# Altium PCB Elevator.PcbDoc (part 2 of 2)
Units mil, origin at the board's own origin, x right, y up, seen from the top; angles counter-clockwise.
Board outline 4620 x 3858.74 mil, 4 copper layers (Top Layer, Internal Plane 1, Internal Plane 2, Bottom Layer), stack 18.2 mil thick; 194 components, 131 nets, 591 pads, 75 vias.
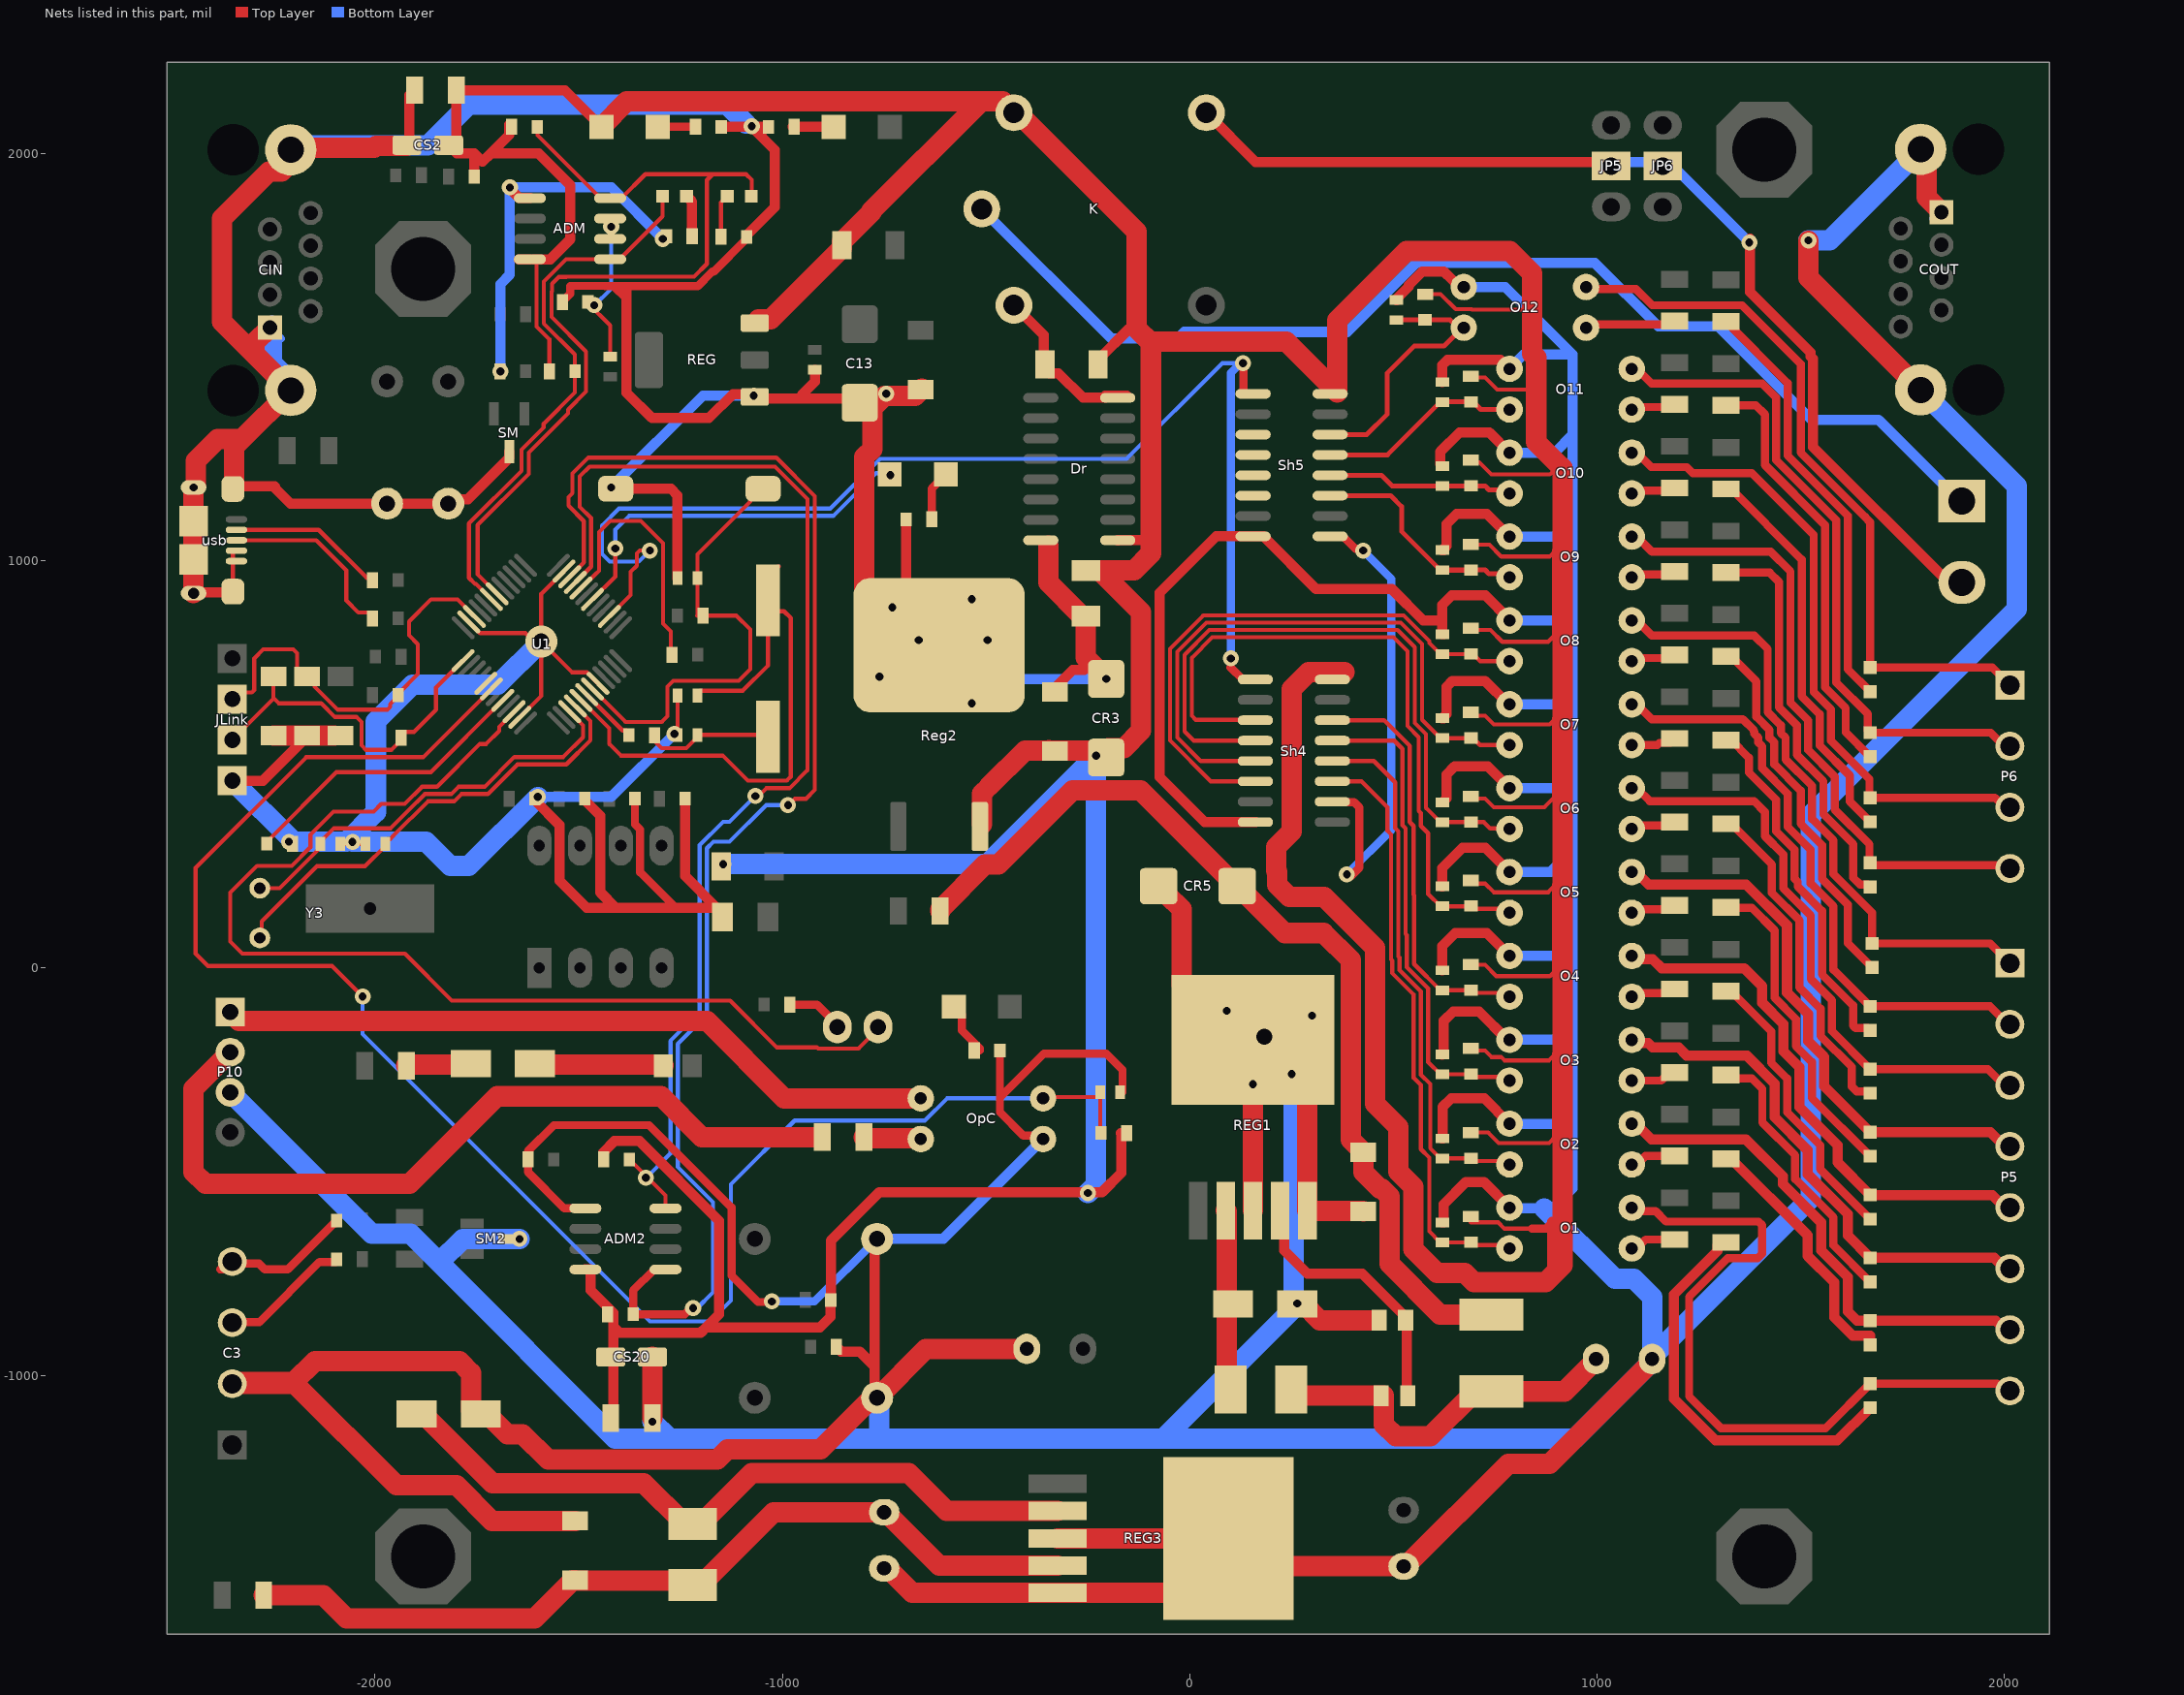
[diagram p4: the nets of this part, all layers, seen from the top]

## Via types
v1: diameter 39.37, hole 19.68, Top Layer to Bottom Layer, 72 vias
v2: diameter 78.74, hole 39.37, Top Layer to Bottom Layer, 3 vias

## Nets (pads, with @x,y where several pads share a name; then routed paths per layer and width w, separated by ;. In a path a pad name is that pad's centre, name@x,y a point inside that pad or via, vN(x,y) a via of type N, cw(c..) or ccw(c..) an arc to the next point about the centre after c; other vN are vias at no path point) (continued)
GND: ADM2.5 ADM.5 C2.1 C3.2 C6.2 C7.2 C10.2 C13.2 C15.2 C16.1 CH1.1 CIN.1 CIN.9 CM20.2 CM21.2 CM50.2 CM51.2 COUT.1 COUT.9 CR1.2 CR2.2 CR3.2 CR5.2 CS2.2 CS3.2 CS20.2 CS30.2 CV1.1 CV2.1 CV3.1 CV4.1 CV5.1 CV6.1 CV7.1 CV8.1 CV9.1 CV10.1 CV11.1 CV12.1 DM3.1 DM20.1 Dr.8 DZ1.1 DZ2.1 DZ5.1 DZ10.1 DZ11.1 DZ12.1 DZ15.1 JLink.1 O1.3 O2.3 O3.3 O4.3 O5.3 O6.3 O7.3 O8.3 O9.3 O10.3 O11.3 O12.3 OpC.3 P10.3 R2.2 R4.1 R44.1 R45.1 R46.1 R47.1 R80.1 R82.1 R83.1 RC1.1 RC2.1 RC5.2 RC32.2 REG1.3 REG1.5 REG1.6 Reg2.4 REG3.3 REG3.5 REG3.6 REG.1 RES.1 RN2.2 RT1.2 RT10.2 RV1.1 RV2.1 RV3.1 RV4.1 Sh4.8 Sh5.8 SM2.3 SM.3 U1.8 U1.23 U1.35 U1.47 usb.4 usb.5 usb.S | length 44999.1
  Top Layer w10: usb.S@-2341.06,925.16 -2348.54,932.64 -2348.54,1021.83 -2345.89,1024.49 usb.4@-2339.69,1024.49 ; C15.2@-2084.69,304.77 C16.1@-2023.34,304.77 ; U1.35@-1769.56,849.29 -1769.07,849.29 -1741.94,822.15 -1630.76,822.15 -1610.3,801.7 v2(-1591.7,801.7) ; U1.47@-1644.29,615.44 -1591.7,668.02 v2(-1591.7,801.7) ; U1.23@-1535.71,974.56 -1591.7,918.57 v2(-1591.7,801.7) ; U1.8@-1452.2,698.96 -1452.69,698.96 -1479.82,726.09 -1516.09,726.09 v2(-1591.7,801.7) ; C7.2@-1257.3,572.3 C6.2@-1257.3,668.83
  Top Layer w20: RC5.2@-1535.74,1639.93 -1520.47,1655.2 -1520.47,1673.88 -1519.81,1674.54 -1435.66,1674.54 -1435,1673.88 -1413.88,1673.88 ; ADM2.5@-1483.43,-590 -1535,-590 -1624,-501 -1624,-449 -1560.75,-385.75 -1326.77,-385.75 -1124.66,-587.86 -1124.66,-754.97 -1059.63,-820 v1@-1025.5,-820 ; -1382.27,1642.27 -1413.88,1673.88 ; R46.1@-1361.79,415.53 -1361.79,352.75 -1348.89,339.84 -1348.89,235 -1264.32,150.43 ; CR1.2@-1160.78,148.08 CR1.2@-1160.64,147.93 ; CR1.2@-1147.55,125 CR1.2@-1147.55,134.84 ; RC1.1@-1087.68,1795 -1087.68,1790.08 -1168.42,1709.34 -1172.13,1709.34 -1207.59,1673.88 -1413.88,1673.88 ; R80.1@-466.01,-202.6 -466.01,-353.99 -408.61,-411.39 -368.66,-411.39 OpC.3@-366.55,-413.5 ; -460,-312.39 -357.61,-210 -205,-210 -165,-250 -165,-305 CH1.1@-170.5,-305
  Top Layer w25: usb.S@-2445,920.16 -2443.03,922.13 -2350.51,922.13 usb.S@-2348.54,924.09 ; JLink.1@-2350,460 -2274.54,460 DZ12.1@-2173.44,561.1 ; usb.S@-2341.06,925.16 usb.S@-2339.09,927.13 ; usb.S@-2341.06,1185 -2339.09,1183.03 -2246.57,1183.03 -2244.61,1181.06 -2244.61,1177.82 -2206.79,1140 RV2.1@-1970,1140 RV1.1@-1820,1140 -1809.72,1150.28 -1772.05,1150.28 -1670,1252.33 SM.3@-1670,1267.68 ; CS2.2@-1921.18,2020 -1915,2026.18 -1915,2142.2 CS3.2@-1902.2,2155 ; v1@-1668.67,1923.27 v1(-1668.67,1916.36) -1668.67,1913.03 -1645.64,1890 ADM.5@-1619.46,1890 ; R44.1@-1607.75,415.53 -1607.75,411.98 -1546.39,350.62 -1546.39,309.89 -1546.19,309.69 -1546.19,214.33 -1479.8,147.93 -1408.87,147.93 ; R45.1@-1484.77,415.53 -1484.77,411.98 -1446.39,373.6 -1446.39,325 -1446.19,324.8 -1446.19,185.25 -1408.87,147.93 ; RES.1@-1408.87,1176.48 -1273.43,1176.48 -1257.3,1160.36 C10.2@-1257.3,957 ; -1385,1672.04 -1382.27,1669.31 -1382.27,1642.27 -1382.27,1412.27 -1320,1350 -1180,1350 -1120.82,1409.18 REG.1@-1067.61,1409.18 ; R47.1@-1238.81,415.53 -1238.81,226.11 CR1.2@-1160.78,148.08 ; R82.1@-1150,2065 v1@-1075,2065 ; CR1.2@-1147.55,134.84 -1160.64,147.93 -1408.87,147.93 ; RC1.1@-1087.68,1795 -1087.68,1798.54 -1018.11,1868.11 -1018.11,2008.11 v1@-1075,2065 ; REG.1@-1067.61,1402.07 -1063.34,1397.81 -820.26,1397.81 C13.2@-810,1387.55 ; R83.1@-1033.99,2065 v1@-1075,2065 ; -950.82,1409.18 -920,1440 C2.1@-920,1468.62 ; RT10.2@-867.01,-930 -855.6,-941.41 -810,-941.41 -773.28,-978.13 ; C13.2@-799.74,1397.81 -788.58,1408.97 -671.91,1408.97 DZ2.1@-660.78,1420.09 ; C13.2@-788.58,1397.81 v1@-757.19,1397.81 ; RV4.1@-767.42,-1055 -773.28,-1049.14 -773.28,-978.13 ; RV3.1@-767.42,-665 -773.28,-670.86 -773.28,-978.13 ; R4.1@-696.29,1101.48 -696.29,819.33 Reg2.4@-665,788.04 ; OpC.3@-366.55,-413.5 OpC.3@-360.05,-420 ; DZ1.1@-345.49,680.79 -337.62,680.79 -286.95,731.46 -260,731.46 ; Sh4.8@161.02,358.26 37.12,358.26 -74,469.37 -74,921 64.74,1059.74 Sh5.8@155.51,1059.74 180.26,1059.74 310,930 496.44,930 573.18,853.26 620,853.26 ; CV12.1@507.64,1639.76 507.64,1642.64 537.58,1672.58 537.58,1676.48 571.1,1710 623.68,1710 644.34,1689.34 661.81,1671.87 O12.3@672.64,1671.87 ; CV1.1@620,-624.79 622.44,-624.79 623.13,-624.1 623.13,-580 678.13,-525 721.74,-525 O1.3@785,-588.26 ; CV2.1@620,-418.46 620.25,-418.2 620.25,-341.5 641.75,-320 722.67,-320 O2.3@785,-382.33 ; CV3.1@620,-212.12 619.63,-211.75 623.13,-211.75 623.45,-211.43 623.45,-130 646.65,-106.79 710,-106.79 779.6,-176.4 O3.3@785,-176.4 ; CV4.1@620,-5.79 620,53.98 651.9,85.88 728.66,85.88 O4.3@785,29.53 ; CV5.1@620,200.54 620,244.98 670.02,295 725.47,295 O5.3@785,235.47 ; CV6.1@620,406.88 623.54,406.88 624.23,407.57 624.23,411.11 630,416.88 630,475 650,495 731.4,495 O6.3@785,441.4 ; CV7.1@620,613.21 623.54,613.21 624.23,613.9 624.23,617.44 630,623.21 630,690 645,705 724.73,705 782.4,647.33 O7.3@785,647.33 ; CV9.1@620,1025.88 623.54,1025.88 624.23,1026.57 624.23,1030.11 630,1035.88 630,1090 655,1115 729.19,1115 O9.3@785,1059.19 ; CV10.1@620,1232.21 616.46,1232.21 615.77,1232.9 615.77,1236.44 615,1237.21 615,1267.68 661.94,1314.62 735.5,1314.62 O10.3@785,1265.12 ; CV11.1@620,1438.54 620,1480 632.62,1492.62 762.33,1492.62 783.89,1471.06 O11.3@785,1471.06 ; CV8.1@623.54,819.54 CV8.1@620,819.54 620,853.26 ; O8.3@785,853.26 785,855 725,915 643.88,915 620,891.12 620,853.26
  Top Layer w50: usb.S@-2445,920.16 usb.S@-2445,1002.83 usb.S@-2445,1097.32 usb.S@-2445,1180 -2440,1185 -2440,1245 -2386.44,1298.56 -2326.16,1298.56 ; usb.S@-2345,1190 -2345,1279.72 -2326.16,1298.56 ; -2295,1515 -2295,1535.23 CIN.1@-2257.75,1572.48 ; DZ11.1@-2249.11,570.44 DZ12.1@-2166.65,570.44 DZ10.1@-2099.51,570.44 ; CIN.9@-2215,1425 -2215,1426.58 -2375,1586.58 -2375,1840.27 -2259.47,1955.8 -2229.2,1955.8 CIN.9@-2190,1995 ; CIN.9@-2206.57,1418.15 -2326.16,1298.56 ; CIN.9@-2192.03,2043.8 -2192.03,1997.03 CIN.9@-2190,1995 ; CS2.2@-1921.18,2020 -1922.56,2018.62 -1996.95,2018.62 -2001.44,2014.13 -2170.87,2014.13 CIN.9@-2190,1995 ; DZ15.1@-1508.37,-1357.16 -1712.84,-1357.16 -1800,-1270 -1947.51,-1270 -2196.84,-1020.67 C3.2@-2350,-1020.67 -2346.01,-1016.68 -2199.08,-1016.68 -2147.4,-965 -1792.75,-965 -1763.46,-994.29 -1763.46,-1086.54 -1755,-1095 DM20.1@-1739.84,-1095 -1724.09,-1095 -1674.41,-1144.69 -1637.4,-1144.69 -1574.96,-1207.13 -1158.91,-1207.13 -1133.91,-1182.13 -906.27,-1182.13 -784.64,-1060.5 -780.69,-1060.5 -773.28,-1053.09 RV4.1@-773.28,-1049.14 ; CS30.2@-1318.9,-1104.92 -1318.9,-955.08 CS20.2@-1318.82,-955 ; RV4.1@-767.42,-1055 -647.42,-935 CM20.2@-400,-935 ; CM51.2@-750,-1473.9 -740.94,-1473.9 -680.98,-1533.86 REG3.5@-324.29,-1533.86 -38.86,-1533.86 REG3.6@95,-1400 ; Reg2.4@-740,885 -771.91,916.91 -798.85,916.91 -798.85,1254.63 -779.29,1274.19 -779.29,1374.25 -748.54,1405 -673.97,1405 DZ2.1@-657.12,1421.85 ; -347.46,1036.81 -347.46,946.51 -264.84,863.9 CR2.2@-255,863.9 -255,761.64 -205,711.64 v1(-205,709.67) ; REG3.3@-324.29,-1400 REG3.6@95,-1400 ; CR5.2@-76.46,201.05 -74.49,201.05 -55.2,181.76 -55.2,179.79 -19.8,144.4 -19.8,-41.95 114.65,-176.4 REG1.6@155,-176.4 ; REG1.3@155,-595.69 v1(155,-285) ; REG1.6@165.45,-186.85 288.86,-310.26 REG1.5@288.86,-595.69 289.93,-596.76 425.09,-596.76 DZ5.1@426.16,-597.84 ; DM3.1@279.49,-825 319.49,-865 RN2.2@455,-865 ; CM21.2@1134.88,-960 1134.88,-965 882.93,-1216.95 781.95,-1216.95 530,-1468.9 CM50.2@525,-1468.9 163.9,-1468.9 REG3.6@95,-1400 ; v1@1518.44,1785 1518.44,1694.79 COUT.9@1793.82,1419.41 ; COUT.9@1793.82,2009.96 1808.36,1995.42 1808.36,1892.27 COUT.1@1845,1855.63
  Bottom Layer w20: CIN.1@-2257.75,1572.48 -2253.22,1567.95 CIN.1@-2230.27,1545 ; v1(-1025.5,-818.64) -921.06,-818.64 RV3.1@-767.42,-665
  Bottom Layer w25: v1(-1691.95,1464.82) -1691.95,1678.95 -1668.67,1702.23 v1(-1668.67,1916.36) -1419.69,1916.36 v1(-1293.33,1790) ; v1(-1600,420) -1420,420 v1(-1265,575) ; v1(-1420,1180) -1195,1405 v1(-1070,1405) ; RV3.1@-767.42,-665 -605.05,-665 OpC.3@-360.05,-420 ; v1(-665,805) -569.67,709.67 -239.67,709.67 ; -250,720 -239.67,709.67 ; v1(-205,709.67) -239.67,709.67 ; O12.3@672.64,1671.87 774.39,1671.87 940,1506.26 ; O1.3@785,-588.26 786.74,-590 870,-590 891,-590 940,-541 940,-350 ; O2.3@785,-382.33 907.67,-382.33 940,-350 ; O3.3@785,-176.4 898.9,-176.4 940,-135.29 ; O4.3@785,29.53 894.53,29.53 940,75 ; O5.3@785,235.47 885.47,235.47 940,290 ; O6.3@785,441.4 898.9,441.4 940,482.5 ; O7.3@785,647.33 904.8,647.33 940,682.53 ; O8.3@785,853.26 904.8,853.26 940,888.46 ; O9.3@785,1059.19 904.8,1059.19 940,1094.4 ; O10.3@785,1265.12 895.12,1265.12 940,1310 ; O11.3@785,1471.06 785,1471.61 819.64,1506.26 940,1506.26 ; COUT.1@1828.6,1839.23 COUT.1@1845,1855.63 ; 940,-350 940,-135.29 ; 940,-135.29 940,75 ; 940,75 940,290 ; 940,290 940,482.5 ; 940,482.5 940,682.53 ; 940,682.53 940,888.46 ; 940,888.46 940,1094.4 ; 940,1094.4 940,1310 ; 940,1310 940,1506.26
  Bottom Layer w50: P10.3@-2355,-305 -2008,-652 -1913,-652 -1842.18,-722.82 ; JLink.1@-2350,460 -2199.69,309.69 -2070,309.69 -1997.55,382.13 -1997.55,604.85 -1907.41,695 -1698.4,695 v2(-1591.7,801.7) ; CIN.1@-2257.75,1572.48 CIN.1@-2253.22,1577.01 ; CIN.1@-2253.22,1567.95 -2253.22,1485.36 -2220,1452.14 CIN.9@-2220,1420 ; CIN.9@-2206.57,2008.7 -2195.27,2020 -1869.63,2020 -1769.65,2119.98 -1136.02,2119.98 v1@-1088.92,2072.87 ; v1(-2055,309.77) -2055.08,309.69 -1873.99,309.69 -1815,250.7 -1769.3,250.7 v1(-1600,420) ; v1(-1645,-665.13) -1784.49,-665.13 -1842.18,-722.82 ; v1(-1318.82,-1113.64) -1280,-1152.46 -1280,-1155 ; RV4.1@-767.42,-1055 -761.92,-1060.5 -761.92,-1148.08 -755,-1155 ; v1(155,-285) 177.8,-262.2 177.8,-174.5 v2(183.3,-169) 191.07,-169 243.32,-116.75 v1(300,-116.75) ; v1@255,-251.4 255,-835.12 -64.88,-1155 ; 870,-590 1043.2,-763.2 1089.89,-763.2 1134.88,-808.19 CM21.2@1134.88,-955 ; v1(1518.44,1786.36) 1570.21,1786.36 COUT.9@1793.82,2009.96 ; COUT.9@1793.82,1419.41 2030,1183.23 2030,881.5 1524.18,375.68 1524.18,-565.7 CM21.2@1134.88,-955 ; -1842.18,-722.82 -1410,-1155 -1280,-1155 ; -1280,-1155 -755,-1155 ; -755,-1155 -64.88,-1155 ; -64.88,-1155 944.88,-1155 1134.88,-965 CM21.2@1134.88,-960 CM21.2@1134.88,-955
  other v1: 263.74,-823.64 250,-260 91,-105 -2211.01,310 -535,650 -761.85,715 -496.52,805 -730,885 -535,905.31 -745,1410 -1075,2066.36
"Latch Pin 2": U1.41
LoadPin: Sh4.1 Sh5.1 U1.15 | length 3058.8
  Top Layer w10: U1.15@-1424.36,863.21 -1372.13,915.44 -1372.13,972.6 -1357.13,987.6 -1357.13,1017.87 -1350,1025 v1@-1330,1025
  Top Layer w20: 100,737.86 129.6,708.26 Sh4.1@161.02,708.26 ; v1@135,1485 132.34,1482.34 132.34,1411.41 134.01,1409.74 Sh5.1@155.51,1409.74
  Bottom Layer w10: v1(-1325,1025) -1352.56,997.44 -1423.49,997.44 -1442.56,1016.51 -1442.56,1086.12 -1400.8,1127.87 -882.13,1127.87 -760,1250 -155,1250 80,1485 v1@125,1485
  Bottom Layer w20: v1(100.67,760) 100.67,1460.67 v1@125,1485
  other v1: 130.67,1485
Net3.3V_2: 3.3V.2 R83.2 | length 100.1
  Top Layer w25: R83.2@-974.03,2065 R83.2@-971,2065 3.3V.2@-873.9,2065
Net5V_2: 5V.2 R82.2 | length 93.1
  Top Layer w20: 5V.2@-1306.1,2065 R82.2@-1212.99,2065
Net24V_2: 24V.2 R80.2 | length 146.7
  Top Layer w20: 24V.2@-588.06,-86.2 24V.2@-579.27,-95 -559.74,-114.53 -559.74,-152.94 -515,-197.68 -515,-202.6
NetADM_2: ADM.2 ADM.3 CC1.2 RC5.1 | length 381.7
  Top Layer w10: RC5.1@-1477.01,1635 -1477.01,1632.05 -1422.61,1577.64 CC1.2@-1422.61,1500.58
  Bottom Layer w10: v1@-1462.12,1625.67 -1420,1667.79 v1(-1420,1820) ; v1@-1425,1807.05 v1@-1425,1820
  other v1: -1461.62,1627.26
NetC1_1: C1.1 K.1 | length 2856.1
  Bottom Layer w25: K.1@-510.37,1863.48 -191.89,1545 -30,1545 -13.39,1561.61 386.61,1561.61 555.57,1730.57 994.43,1730.57 1150,1575 1297.12,1575 1526.44,1345.68 1690.82,1345.68 1890,1146.5 C1.1@1895,1146.5
NetC1_2: C1.2 JP5.2 JP6.2 K.3 | length 2546.5
  Top Layer w25: K.3@40.81,2099.7 161.71,1978.8 1024.33,1978.8 JP5.2@1034.33,1968.8 ; v1@1375,1790 1375,1660 1524.18,1510.82 1524.18,1501.46 1529.89,1495.76 1529.89,1279.29 1862.68,946.5 C1.2@1895,946.5
  Bottom Layer w25: JP5.2@1034.33,1978.8 1176,1978.8 v1(1373.44,1781.36)
NetC3_3: C3.3 RT12.1 | length 323.4
  Top Layer w20: C3.3@-2350,-870.67 -2348.96,-869.63 -2283.7,-869.63 -2135.8,-721.73 -2095.8,-721.73 -2093.99,-719.92 RT12.1@-2093.99,-715
NetC3_4: C3.4 RT13.1 | length 346.6
  Top Layer w20: -2380,-740 C3.4@-2350,-740 ; C3.4@-2350,-720.67 -2345.24,-725.43 -2284.57,-725.43 -2270,-740 -2213.99,-740 -2100.72,-626.73 -2095.8,-626.73 -2093.99,-624.92 RT13.1@-2093.99,-620
NetC7_1: C7.1 R3.2 Y2.1 | length 317.8
  Top Layer w10: R3.2@-1313.45,571.48 -1313.45,557.48 -1295.97,540 -1235.69,540 -1208.31,567.38 C7.1@-1208.31,572.3 -1039.42,572.3 Y2.1@-1035,567.88
NetC15_1: C15.1 U1.3 Y3.1 | length 1040
  Top Layer w10: Y3.1@-2282.4,196.02 -2269.74,196.02 -2266.56,192.84 -2263.72,190 -2263.72,195.69 -2263.38,196.02 -2233.55,196.02 -2133.68,295.9 C15.1@-2133.68,304.77 -2133.68,309.69 -2100.33,343.04 -1961.35,343.04 -1919.53,384.86 -1877.27,427.13 -1812.76,427.13 -1794.88,445 -1730.37,445 -1657.5,517.87 -1537.45,517.87 -1488.77,566.55 -1488.77,595.85 -1521.79,628.87 U1.3@-1521.79,629.36
NetC16_2: C16.2 U1.4 Y3.2 | length 1138.7
  Top Layer w10: Y3.2@-2282.4,73.98 -2277.65,78.73 -2277.65,114.57 -2142.22,250 -2024.19,250 -1974.35,299.85 C16.2@-1974.35,304.77 -1974.35,309.69 -1967.54,316.5 -1962.62,316.5 -1953.95,325.17 -1869.86,409.25 -1805.31,409.25 -1787.43,427.13 -1722.87,427.13 -1650,500 -1530.05,500 -1470.9,559.15 -1470.9,606.15 -1507.88,643.12 U1.4@-1507.88,643.28
NetCH1_2: CH1.2 OpC.4 RP2.1 U1.42 | length 4269.7
  Top Layer w10: v1(-2030,-70) -2105,5 -2410,5 -2440,35 -2440,246.14 -2168.62,517.52 -1881.4,517.52 U1.42@-1713.88,685.04 ; OpC.4@-360.05,-320 -356.78,-316.73 -228.91,-316.73 -222.1,-309.92 -222.1,-305 -219.89,-307.21 -219.89,-402.79 RP2.1@-217.68,-405
  Bottom Layer w10: v1(-2030,-70) -2030,-162.44 -1324.88,-867.56 -1177.48,-867.56 -1126.21,-816.29 -1126.21,-531.21 -969.63,-374.63 -650.5,-374.63 -595.88,-320 OpC.4@-360.05,-320
NetCM21_1: CM21.1 L3.2 L4.1 RN1.1 | length 916.2
  Top Layer w50: L3.2@249.49,-1035 263.86,-1049.41 469.41,-1049.41 RN1.1@470,-1050 475.71,-1050 476.3,-1050.59 476.3,-1120.71 505.59,-1150 590.12,-1150 700.63,-1039.49 L4.1@740,-1039.49 919.55,-1039.49 997.09,-961.95 CM21.1@997.09,-960
NetCM51_1: CM51.1 DZ15.2 F5.2 L9.2 REG3.4 | length 2144.4
  Top Layer w50: F5.2@-2272.8,-1540 -2127.03,-1540 -2069.9,-1597.13 -1607.78,-1597.13 -1513.49,-1502.84 DZ15.2@-1508.37,-1502.84 -1506.99,-1504.21 -1230.59,-1504.21 L9.2@-1220,-1514.8 -1200.31,-1514.8 -1021.61,-1336.1 CM51.1@-750,-1336.1 -745,-1336.1 -614.17,-1466.93 REG3.4@-324.29,-1466.93
NetCON_1: CON.1 U1.18 | length 929
  Top Layer w10: U1.18@-1466.12,904.96 -1410,961.08 v1@-1410,1025 ; v1@-1415,1020 v1@-1410,1025 ; v1(-1410,1030) v1@-1410,1025
  Bottom Layer w10: v1(-1410,1030) -1410,1076.05 -1376.05,1110 -874.72,1110 -769.72,1215 v1@-740,1215
  other v1: -735,1210
NetCON_2: CON.2 R4.2 | length 110.4
  Top Layer w20: R4.2@-633.3,1115.48 -633.3,1176.84 CON.2@-598.66,1211.48
NetCR5_1: CR5.1 DZ5.2 F1.2 L4.2 | length 2395
  Top Layer w50: F1.2@-612.8,140 -612.8,144.13 -502.3,254.63 -469.25,254.63 -287.68,436.2 -120.66,436.2 114.49,201.05 CR5.1@116.46,201.05 118.43,201.05 233.6,85.88 329.12,85.88 395,20 395,-421 DZ5.2@426.16,-452.16 426.16,-501.16 466.34,-541.34 471.27,-541.34 490.53,-560.6 490.53,-726.32 614.73,-850.51 L4.2@740,-850.51
NetDM3_2: DM3.2 L3.1 REG1.2 | length 444.2
  Top Layer w50: REG1.2@88.07,-595.69 90.43,-598.05 90.43,-1025.55 L3.1@99.88,-1035
NetDM6_1: DM6.1 F3.2 | length 160.1
  Top Layer w50: F3.2@-1922.8,-240 -1920.3,-237.5 -1767.28,-237.5 DM6.1@-1764.78,-235
NetDM6_2: DM6.2 FB1.2 | length 318
  Top Layer w50: DM6.2@-1607.3,-235 -1604.8,-237.5 -1293.41,-237.5 -1292.03,-238.88 FB1.2@-1292.03,-240
NetDM20_2: DM20.2 L9.1 REG3.2 | length 1775.4
  Top Layer w50: DM20.2@-1897.32,-1095 -1881.57,-1095 -1711.57,-1265 -1339.88,-1265 -1239.69,-1365.2 L9.1@-1220,-1365.2 -1200.31,-1365.2 -1075.12,-1240 -690,-1240 -596.93,-1333.07 REG3.2@-324.29,-1333.07
NetDP15_1: DP15.1 Dr.16 K.5 | length 423.1
  Top Layer w25: K.5@-431.63,1627.26 -358.66,1554.29 -358.66,1486.04 DP15.1@-354.96,1482.34 -354.96,1471.51 -343.84,1460.39 -322.35,1460.39 -261.95,1400 -206.91,1400 -207.6,1400.69 -207.6,1405 Dr.16@-155,1405